# Altium PCB DSUB_V2_JGl_RoV24_RevA.PcbDoc (part 1 of 2)
Units mm, origin at the board's own origin, x right, y up, seen from the top; angles counter-clockwise.
Board outline 180 x 186 mm, 4 copper layers (Top Layer, Layer 1, Layer 2, Bottom Layer), stack 0.603 mm thick; 123 components, 97 nets, 879 pads, 118 vias.
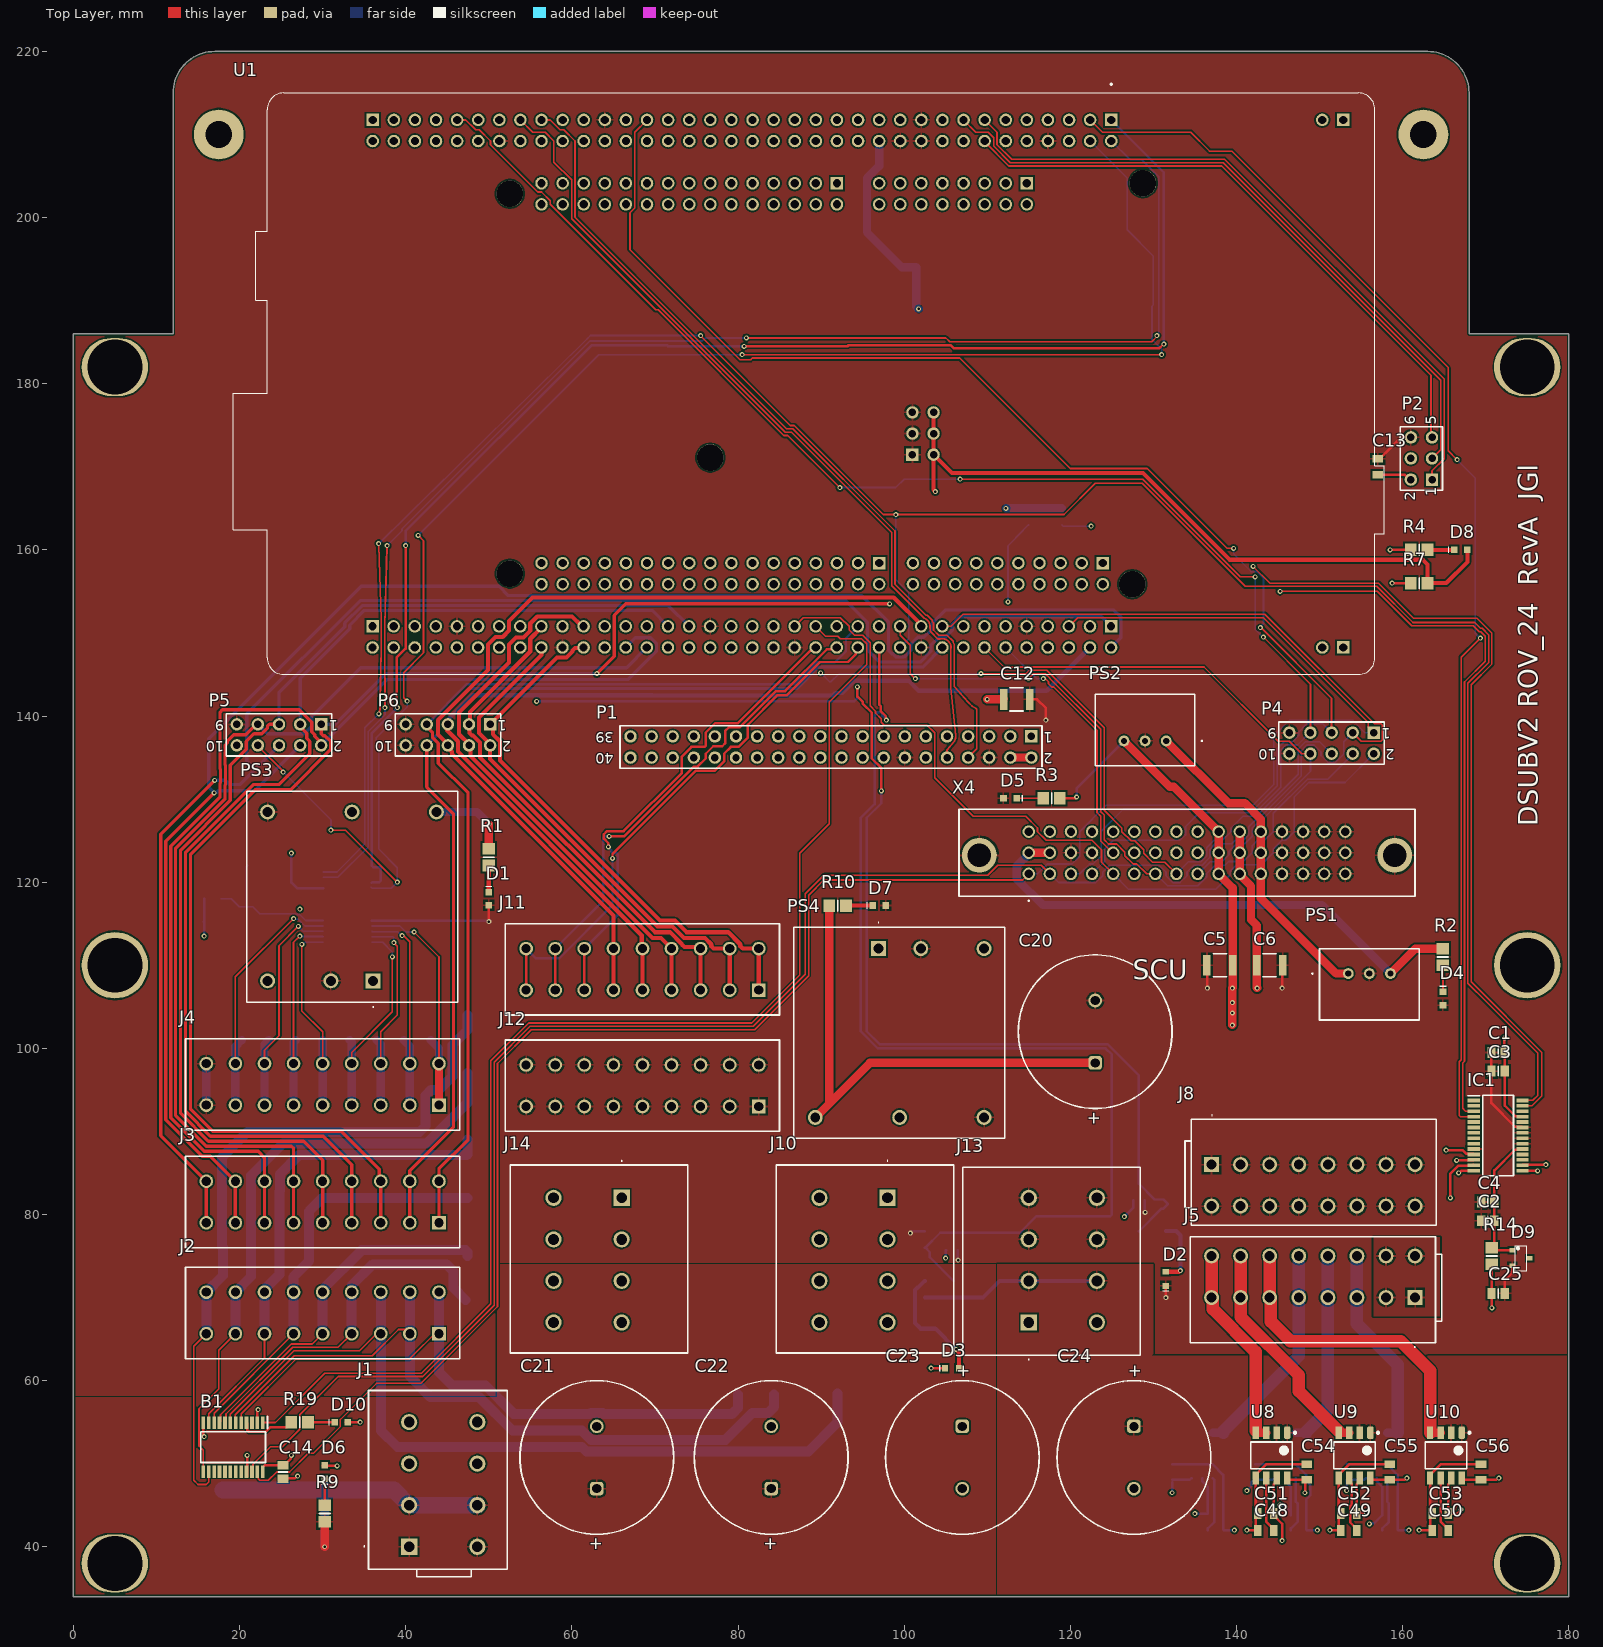
[diagram p0: Top Layer view]
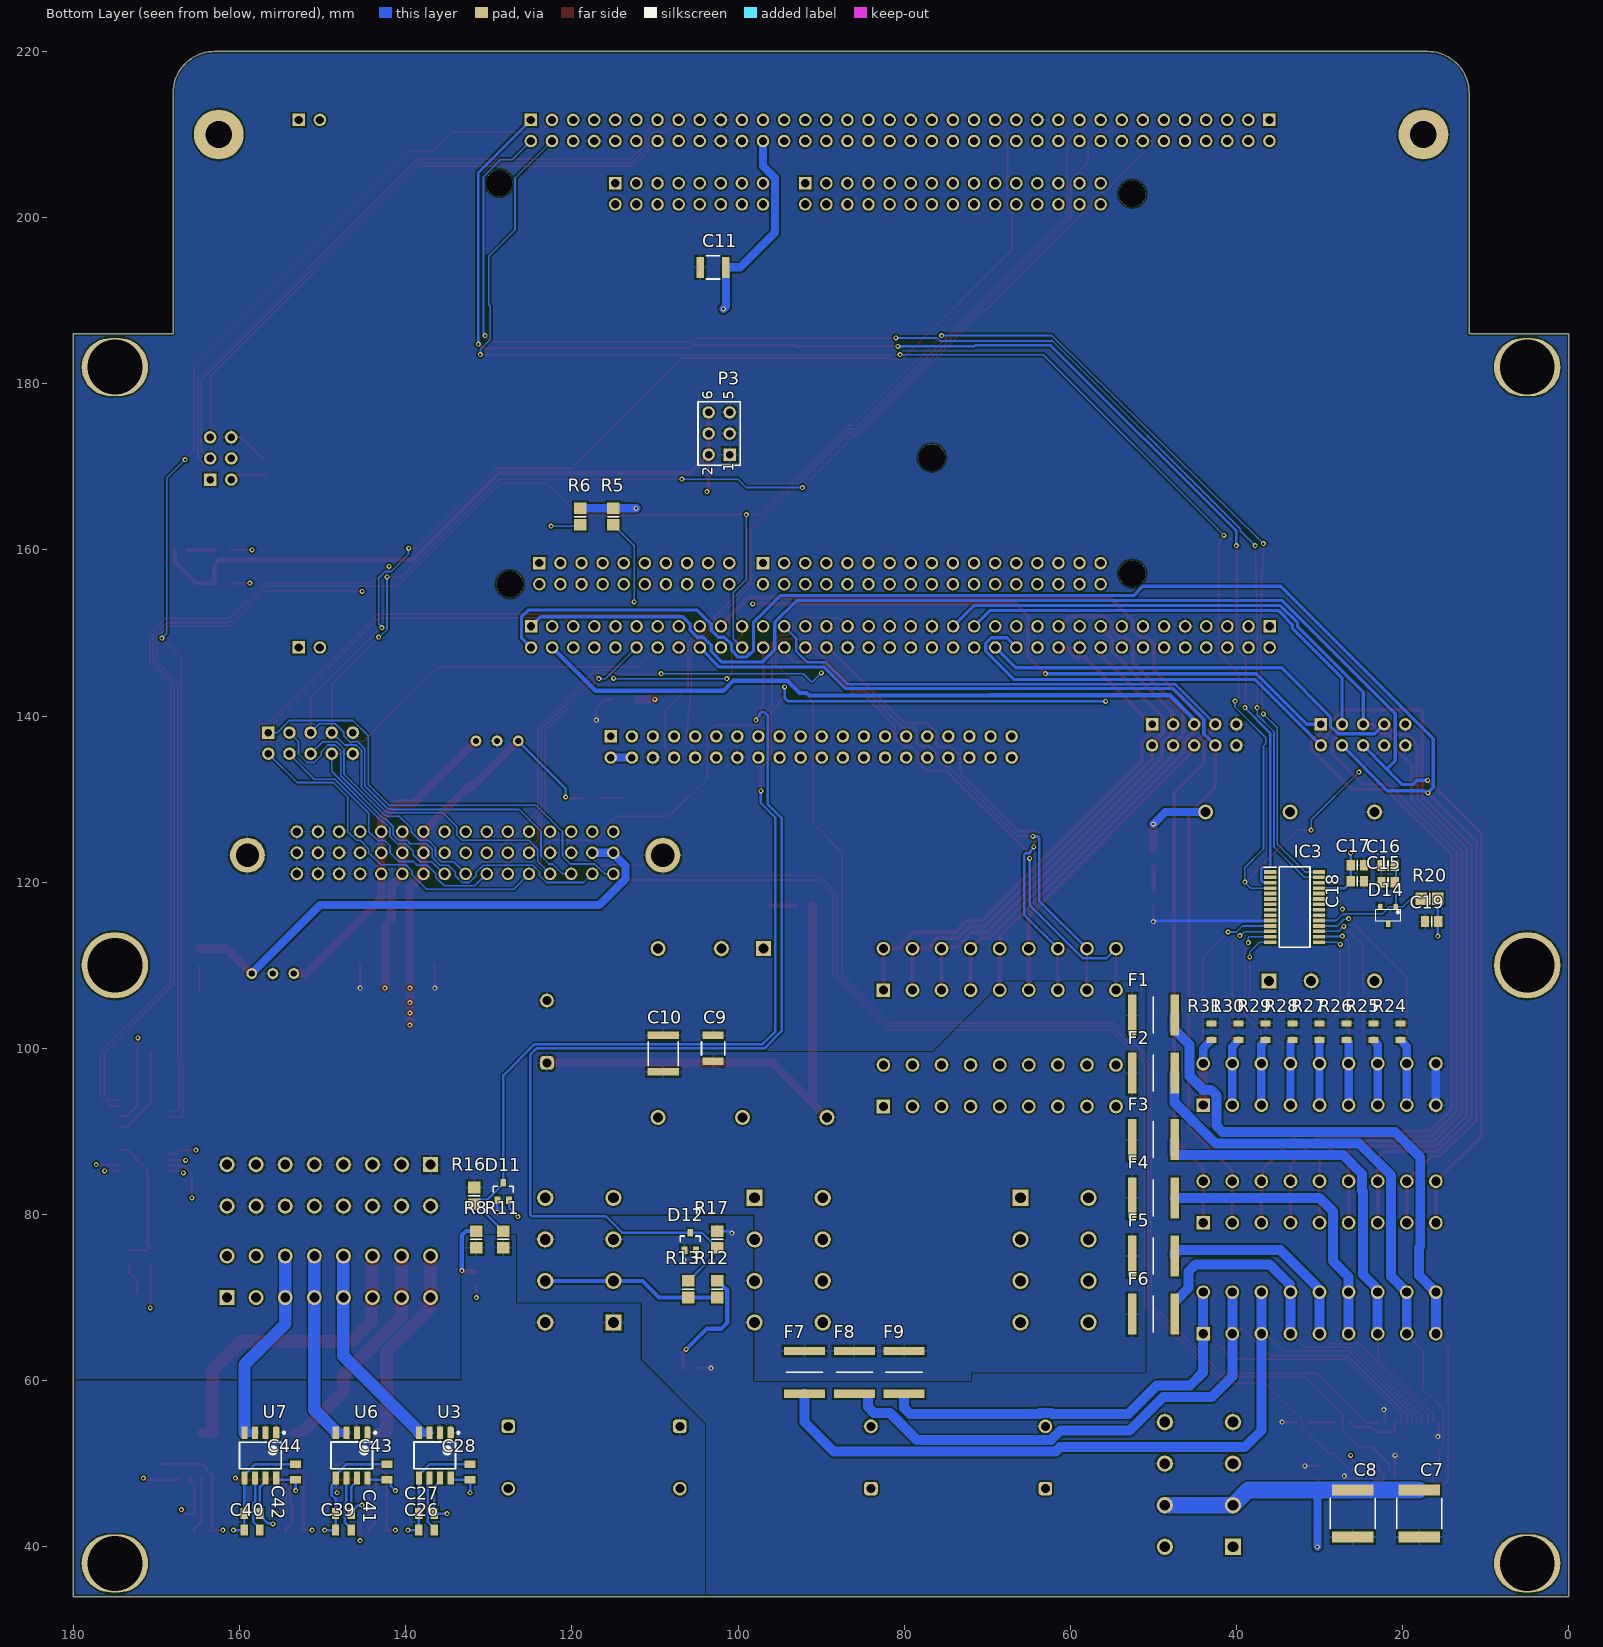
[diagram p1: Bottom Layer view, seen from below]
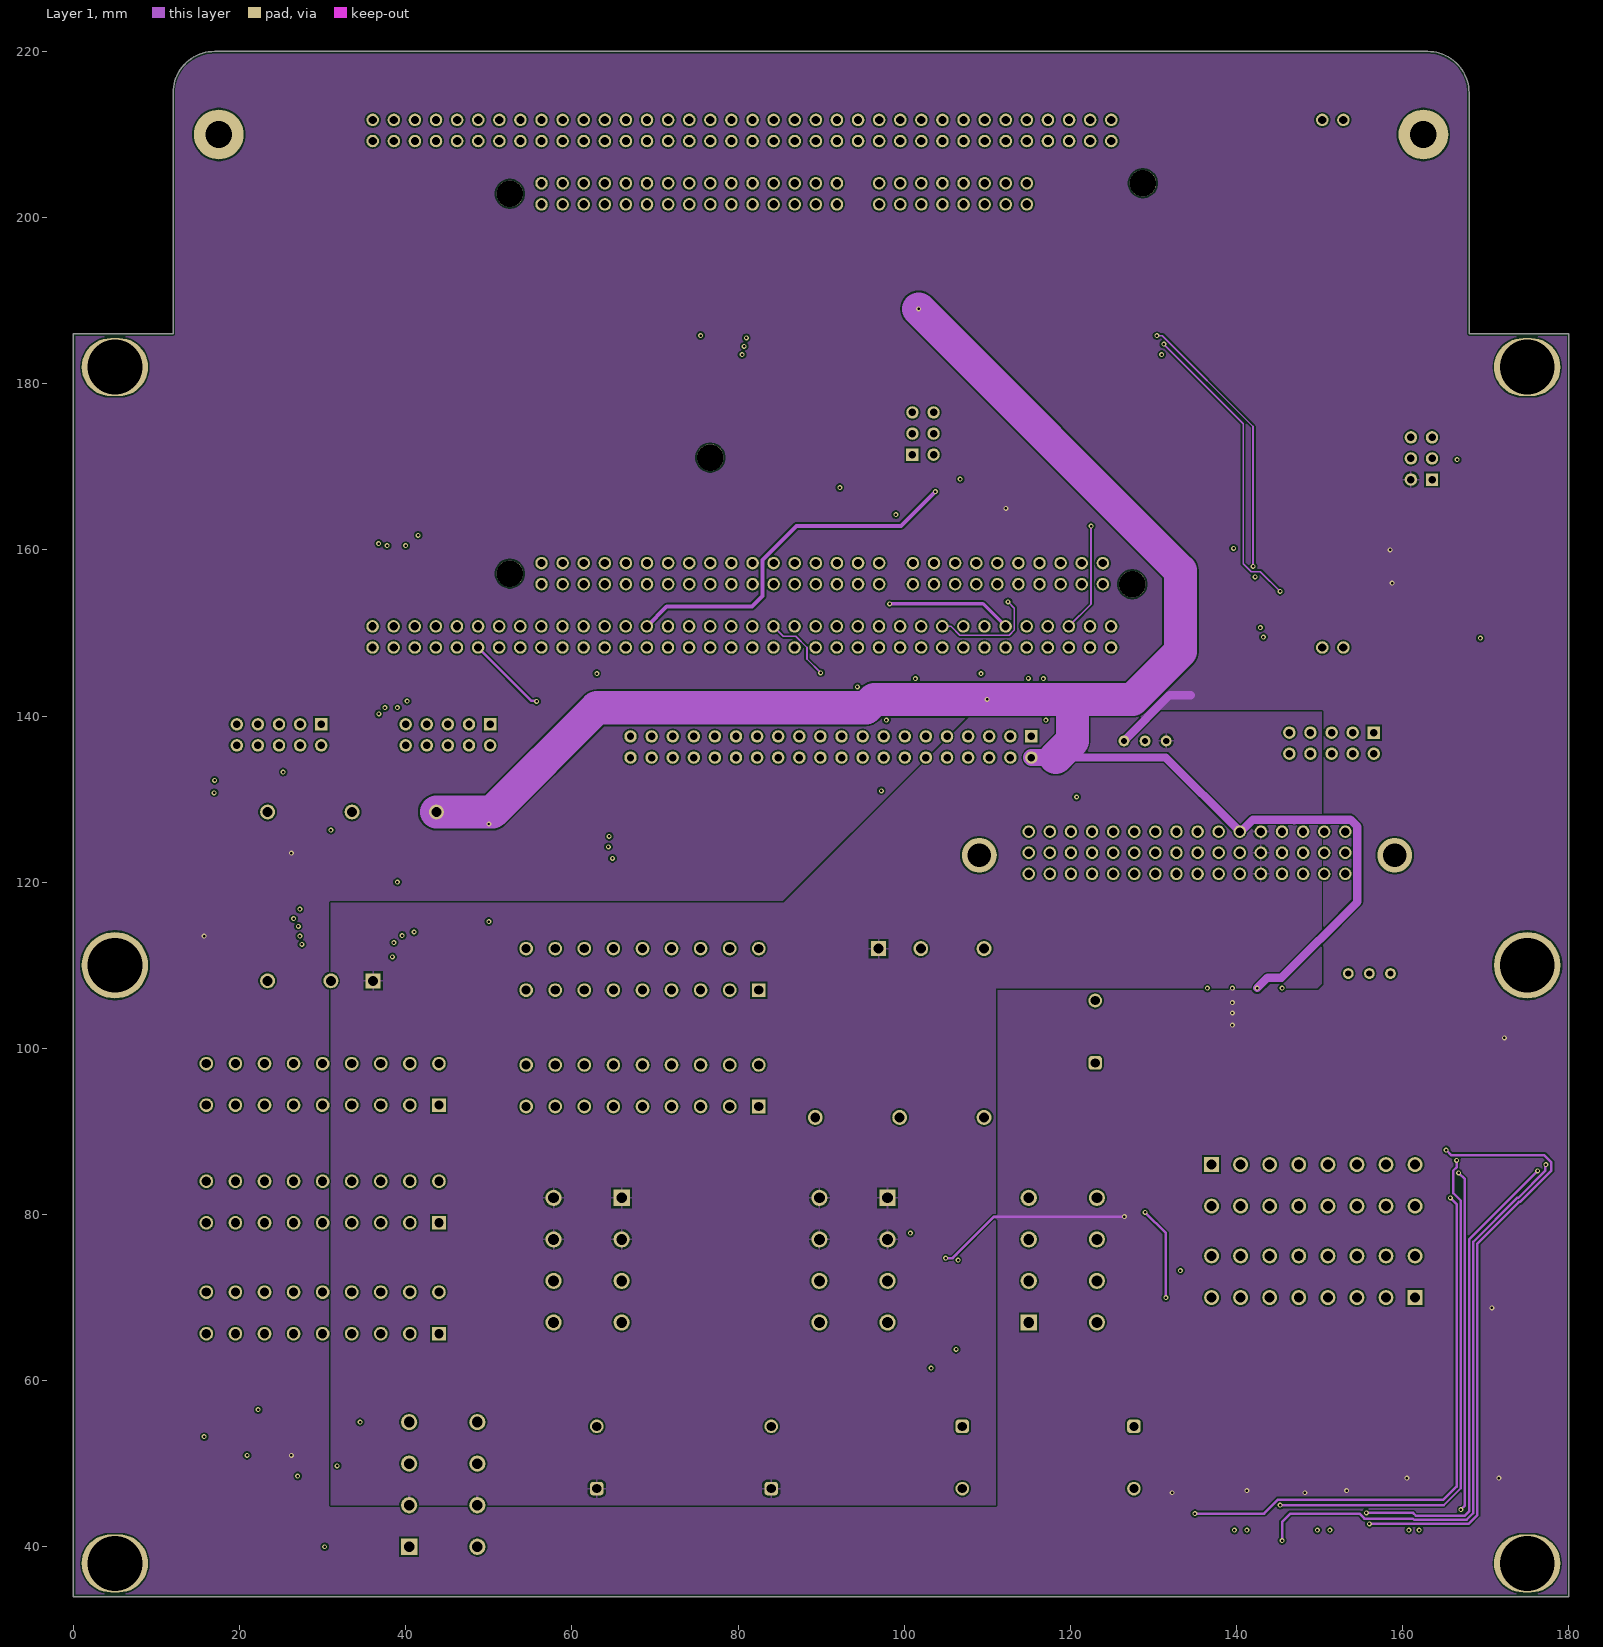
[diagram p2: Layer 1]
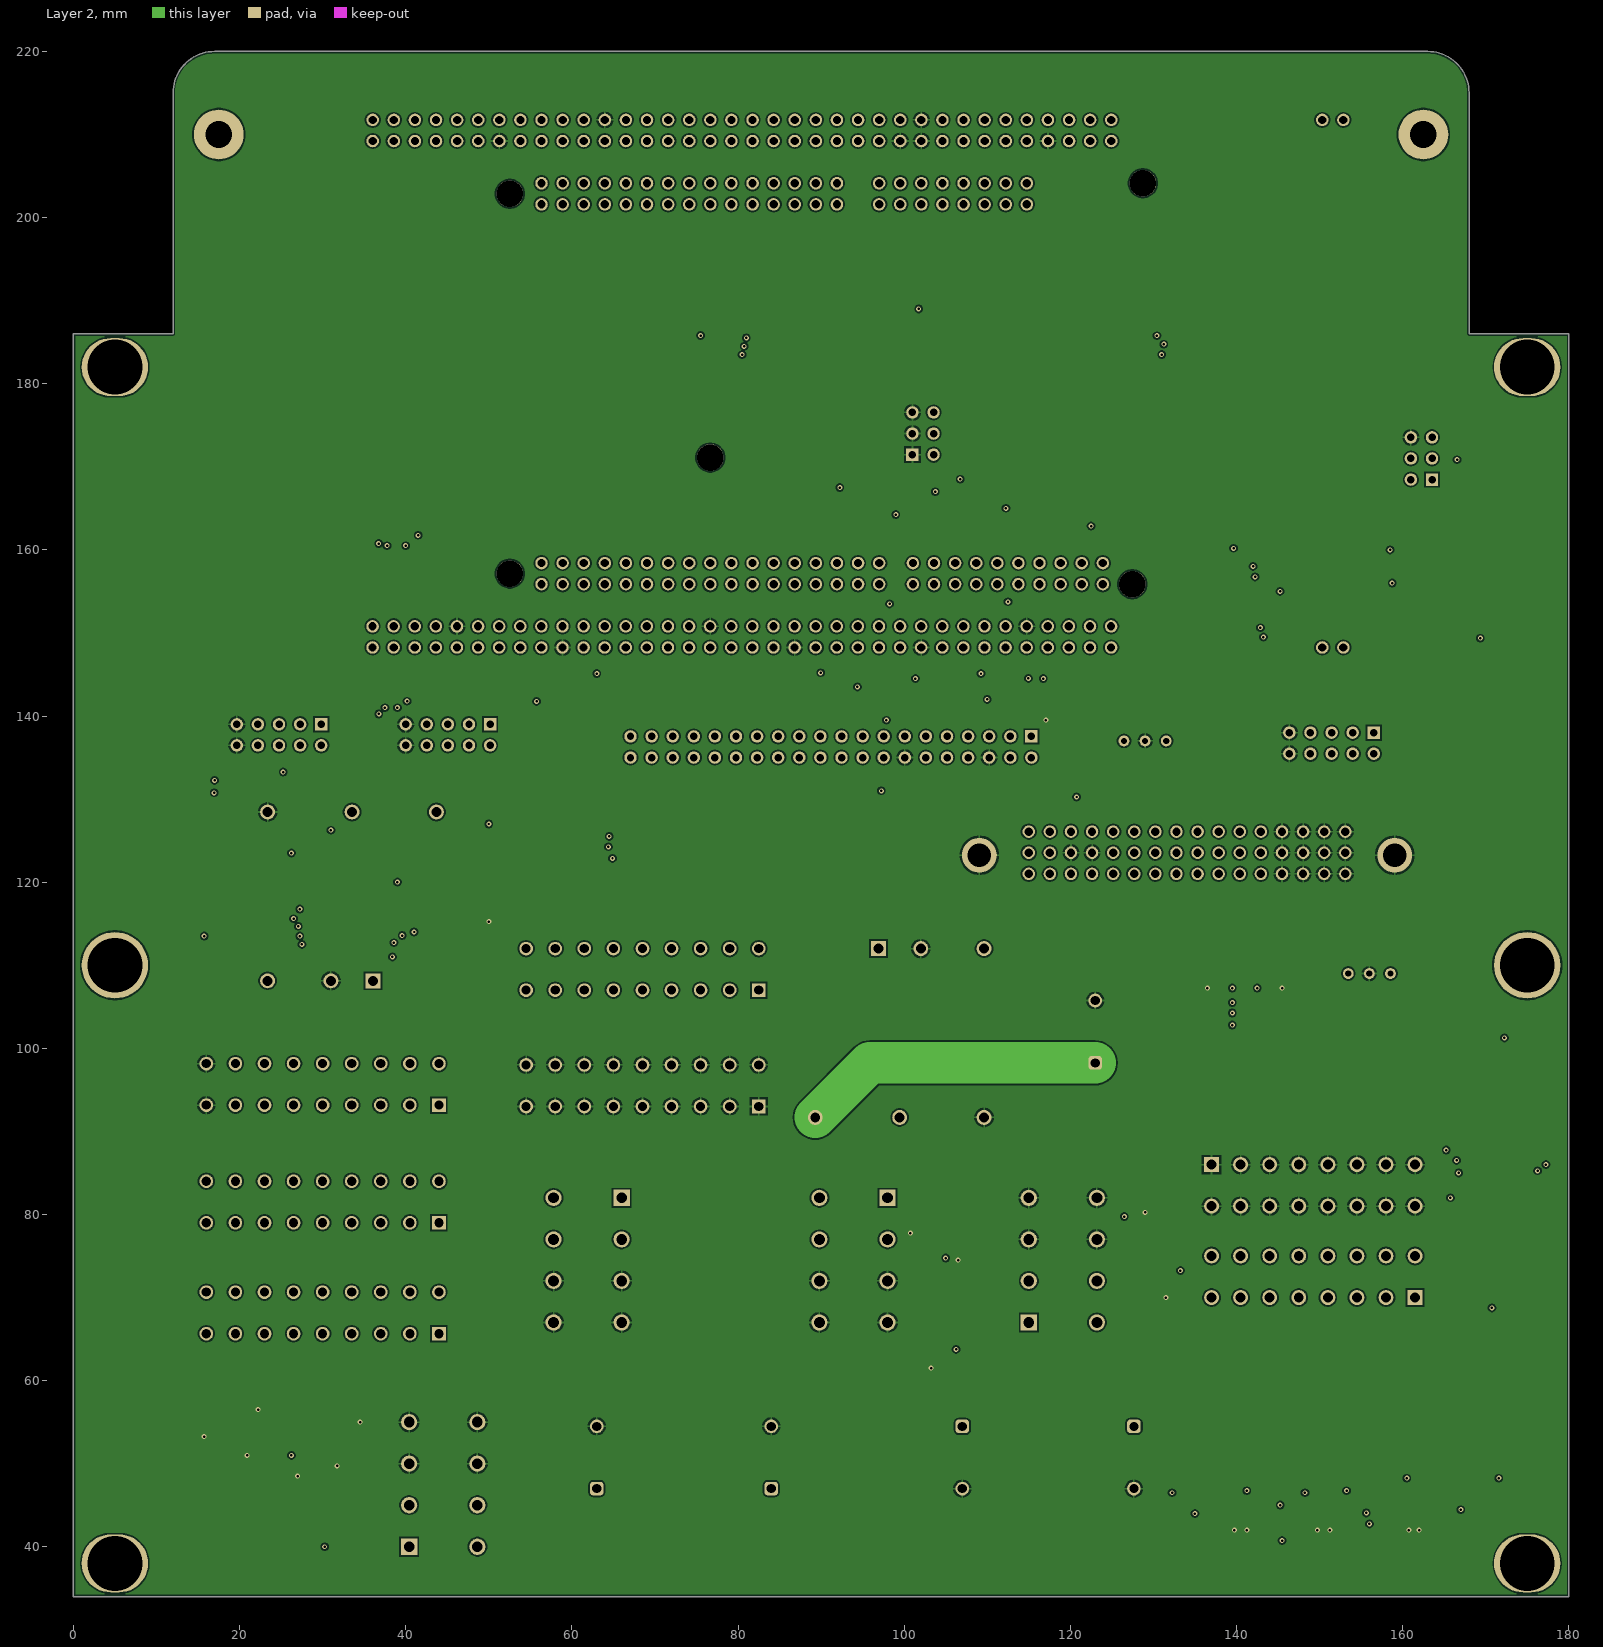
[diagram p3: Layer 2]

## Layer stack, top to bottom
Top Solder: solder mask 0.0102, Solder Resist, Dk 3.5
Top Layer: signal copper 0.0356
Dielectric 2: prepreg 0.0711, PP-006, Dk 4.1
Layer 1: signal copper 0.035
Dielectric 1: dielectric 0.32, FR-4, Dk 4.8
Layer 2: signal copper 0.035
Dielectric 3: prepreg 0.0711, PP-006, Dk 4.1
Bottom Layer: signal copper 0.0356
Bottom Solder: solder mask 0.0102, Solder Resist, Dk 3.5

## Board outline
0,34 0,186 12,186 12,215 cw(c17,215) 17,220 163,220 cw(c163,215) 168,215 168,186 180,186 180,34

## Design rules (kind name [scope] priority, off if disabled: settings)
BoardOutlineClearance [All] p1: gap=0.254 ignorepadtopadclearanceinfootprint=FALSE except(0: Arc-SplitContinuation Track-SplitContinuation SMDPad-SplitContinuation THPad-SplitContinuation Via-SplitContinuation Fill-SplitContinuation Poly-SplitContinuation Region-SplitContinuation Text-SplitContinuation)
Clearance [All] p1: gap=0.2 ignorepadtopadclearanceinfootprint=FALSE
HoleSize [All] p1: absolutevalues=TRUE maxlimit=10 minlimit=0.025 maxpercent=80.000 minpercent=20.000
MinimumSolderMaskSliver [All] p1: minsoldermaskwidth=0.2
PolygonConnect [All] p1: thpad.connectstyle=Relief thpad.reliefconductorwidth=0.254 thpad.reliefentries=4 thpad.polygonreliefangle="90 Angle" thpad.airgapwidth=0.254 smdpad.connectstyle=Relief smdpad.reliefconductorwidth=0.254 smdpad.reliefentries=4 smdpad.polygonreliefangle="90 Angle" smdpad.airgapwidth=0.254 via.connectstyle=Direct via.reliefconductorwidth=0.254 via.reliefentries=4 via.polygonreliefangle="90 Angle" via.airgapwidth=0.254
RoutingVias [All] p1: holewidth=0.3 width=0.6 viastyle="Through Hole" minholewidth=0.3 minwidth=0.6 maxholewidth=1 maxwidth=2
SilkToSilkClearance [All] p1: silktosilkclearance=0.2
SilkToSolderMaskClearance [IsPad] p1: minsilkscreentomaskgap=0.2 clearancetoexposedcopper=TRUE
SolderMaskExpansion [All] p1: expansion=0.102 istentingtop=FALSE
Width [All] p1: maxlimit=5 minlimit=0.2 preferedwidth=0.2 minimp=50.000000 maximp=50.000000 favimp=50.000000
26 further rules are at their usual default settings.

## Classes and differential pairs
component class 002_Servos: B1 C9 C10 C14 C15 C16 C17 C18 C19 C20 D7 D10 D14 F1 F2 F3 F4 F5 F6 F7 F8 F9 IC3 J2 J3 J4 PS4 R10 R19 R20 R24 R25 R26 R27 R28 R29 R30 R31
component class 001_NUCLEO: C11 D8 P3 R4 R5 R6 R7 U1
component class 000_Main: C1 C2 C3 C4 C5 C6 C7 C8 C12 C13 C21 C22 C23 C24 C25 C26 C27 C28 C39 C40 C41 C42 C43 C44 C48 C49 C50 C51 C52 C53 C54 C55 C56 D1 D2 D3 D4 D5 D6 D9 D11 D12 IC1 J1 J5 J8 J10 J11 J12 J13 J14 P1 P2 P4 P5 P6 PS1 PS2 PS3 R1 R2 R3 R8 R9 R11 R12 R13 R14 R16 R17 U3 U6 U7 U8 U9 U10 X4

## Components (designator, comment, footprint, x,y, rotation, side; value= is the part's Value field where it differs from the comment)
B1 "XRA1203IG24TR-F" SOP65P640X120-24N 19.216,52 r270 top
C1 "100nF" 6-0805_L 171.5,99.5 r0 top
C2 "100nF" 6-0805_L 170.25,79.25 r0 top
C3 "1uF" 6-0805_L 171.5,97.25 r0 top
C4 "1uF" 6-0805_L 170.249,81.5 r0 top
C5 "4.7µF" WCAP-CSGP_1210_L3.2W2.5H2.5 138,110 r0 top
C6 "4.7µF" WCAP-CSGP_1210_L3.2W2.5H2.5 144,110 r180 top
C7 "10µF 100v" WCAP-CSGP_2220_L5.7W5H2.8 18,44 r90 bottom
C8 "10µF 100v" WCAP-CSGP_2220_L5.7W5H2.8 26,44 r90 bottom
C9 "4.7µF" WCAP-CSGP_1210_L3.2W2.5H2.5 103,100 r270 bottom
C10 "2.2µF" WCAP-CSGP_1812_L4.5W3.2H2.5 109,99.35 r270 bottom
C11 "4.7µF" WCAP-CSGP_1210_L3.2W2.5H2.5 103,194 r180 bottom
C12 "4.7µF" WCAP-CSGP_1210_L3.2W2.5H2.5 113.55,142 r180 top
C13 "100nF" WCAP-CSGP_0805_L2W1.25H0.8_Reflow 157,170 r90 top
C14 "100nF" 6-0805_L 25.242,49 r90 top
C15 "1uF" 6-0805_L 21.75,120 r180 bottom
C16 "100nF" 6-0805_L 21.75,122 r180 bottom
C17 "100nF" 6-0805_L 25.45,122.031 r0 bottom
C18 "1uF" 6-0805_L 25.45,120.104 r0 bottom
C19 "100nF" 6-0805_L 16.5,115.25 r180 bottom
C20 "100µF" WCAP-AT1H_D18H21 123,102 r270 top
C21 "100µF" WCAP-AT1H_D18H21 63,50.746 r270 top
C22 "100µF" WCAP-AT1H_D18H21 84,50.746 r270 top
C23 "100µF" WCAP-AT1H_D18H21 107,50.746 r90 top
C24 "100µF" WCAP-AT1H_D18H21 127.654,50.746 r90 top
C25 "100nF" 6-0805_L 171.5,70.5 r180 top
C26 "47nF" WCAP-CSGP_0805_L2W1.25H0.8_Reflow 137.5,42 r180 bottom
C27 "4.7nF" WCAP-CSGP_0805_L2W1.25H0.8_Reflow 137.5,44 r180 bottom
C28 "47nF" WCAP-CSGP_0805_L2W1.25H0.8_Reflow 132.261,49 r270 bottom
C39 "47nF" WCAP-CSGP_0805_L2W1.25H0.8_Reflow 147.5,42 r180 bottom
C40 "47nF" WCAP-CSGP_0805_L2W1.25H0.8_Reflow 158.5,42 r180 bottom
C41 "4.7nF" WCAP-CSGP_0805_L2W1.25H0.8_Reflow 147.5,44 r180 bottom
C42 "4.7nF" WCAP-CSGP_0805_L2W1.25H0.8_Reflow 158.5,44 r180 bottom
C43 "47nF" WCAP-CSGP_0805_L2W1.25H0.8_Reflow 142.261,49 r270 bottom
C44 "47nF" WCAP-CSGP_0805_L2W1.25H0.8_Reflow 153.261,49 r270 bottom
C48 "47nF" WCAP-CSGP_0805_L2W1.25H0.8_Reflow 143.522,41.946 r0 top
C49 "47nF" WCAP-CSGP_0805_L2W1.25H0.8_Reflow 153.522,41.946 r0 top
C50 "47nF" WCAP-CSGP_0805_L2W1.25H0.8_Reflow 164.522,41.946 r0 top
C51 "4.7nF" WCAP-CSGP_0805_L2W1.25H0.8_Reflow 143.522,44 r0 top
C52 "4.7nF" WCAP-CSGP_0805_L2W1.25H0.8_Reflow 153.522,44 r0 top
C53 "4.7nF" WCAP-CSGP_0805_L2W1.25H0.8_Reflow 164.522,44 r0 top
C54 "47nF" WCAP-CSGP_0805_L2W1.25H0.8_Reflow 148.451,49 r270 top
C55 "47nF" WCAP-CSGP_0805_L2W1.25H0.8_Reflow 158.451,49 r270 top
C56 "47nF" WCAP-CSGP_0805_L2W1.25H0.8_Reflow 169.451,49 r270 top
D1 "Blue, 3.2V, 140°" WL-SMCW_0603_150060xx75003 50,118 r270 top
D2 "Green, 3.3V, 40°" WL-SMCW_0603_150060xx8x000 131.5,72.25 r90 top
D3 "Green, 3.3V, 40°" WL-SMCW_0603_150060xx8x000 105.75,61.5 r0 top
D4 "Blue, 3.2V, 140°" WL-SMCW_0603_150060xx75003 164.856,106 r270 top
D5 "Blue, 3.2V, 140°" WL-SMCW_0603_150060xx75003 112.75,130.104 r180 top
D6 "Blue, 3.2V, 140°" WL-SMCW_0603_150060xx75003 30.242,49 r90 top
D7 "Blue, 3.2V, 140°" WL-SMCW_0603_150060xx75003 97,117.184 r0 top
D8 "Red, 2V, 140°" WL-SMCW_0603_150060xx75003 167,160 r0 top
D9 "LM4040CYM3-2.5-TR" "SOT - 23" 174.25,74.75 r0 top
D10 "Red, 2V, 140°" WL-SMCW_0603_150060xx75003 32.242,55 r0 top
D11 "BAS70W-04Q" SOT323-123 128.25,82.75 r90 bottom
D12 "BAS70W-04Q" SOT323-123 105.75,76.75 r90 bottom
D14 "LM4040CYM3-2.5-TR" "SOT - 23" 21.75,116 r270 bottom
F1 "MF-SMDF200-2" FUSC5146X85N 50,104 r180 bottom
F2 "MF-SMDF200-2" FUSC5146X85N 50,97 r180 bottom
F3 "MF-SMDF200-2" FUSC5146X85N 50,89 r180 bottom
F4 "MF-SMDF200-2" FUSC5146X85N 50,82 r180 bottom
F5 "MF-SMDF200-2" FUSC5146X85N 50,75 r180 bottom
F6 "MF-SMDF200-2" FUSC5146X85N 50,68 r180 bottom
F7 "MF-SMDF200-2" FUSC5146X85N 92,61 r270 bottom
F8 "MF-SMDF200-2" FUSC5146X85N 86,61 r270 bottom
F9 "MF-SMDF200-2" FUSC5146X85N 80,61 r270 bottom
IC1 "AD7193BRUZ" SOP65P640X120-28N 171.5,89.5 r0 top
IC3 "AD7193BRUZ" SOP65P640X120-28N 33,117 r180 bottom
J1 "2604-3104" 26043104 40.421,40 r90 top
J2 "1864354" 1864354 44,65.646 r180 top
J3 "1864354" 1864354 44,79 r180 top
J4 "1864354" 1864354 44,93.154 r180 top
J5 "2601-3108" 26013108 161.5,70 r180 top
J8 "2601-3108" 26013108 137,86 r0 top
J10 "1190365" 1190365 98,82 r270 top
J11 "1864354" 1864354 82.5,107 r180 top
J12 "1864354" 1864354 82.5,93 r180 top
J13 "1190365" 1190365 115,67 r90 top
J14 "1190365" 1190365 66,82 r270 top
P1 "Header 20X2" HDR2X20 115.32,137.54 r180 top
P2 "Header 3X2" HDR2X3 163.54,168.46 r90 top
P3 "Header 3X2" HDR2X3 101,171.46 r90 bottom
P4 "Header 5X2" HDR2X5 156.53,138 r180 top
P5 "Header 5X2" HDR2X5 29.831,139 r180 top
P6 "Header 5X2" HDR2X5 50.16,139 r180 top
PS1 "TSR_0.6-48120WI" TSR0648120WI 153.46,109 r0 top
PS2 "TSR_0.6-4833WI" TSR0648120WI 131.54,137 r180 top
PS3 "THL_30-4811WI" THL304811WI 36.08,108.126 r0 top
PS4 "THL_30-4811WI" THL304811WI 96.92,112 r180 top
R1 "220R" 6-0805_M 50,123.001 r90 top
R2 "1k" 6-0805_M 164.856,111 r90 top
R3 "33R" 6-0805_M 117.751,130.104 r0 top
R4 "33R" 6-0805_M 162,160 r180 top
R5 "10k" 6-0805_M 115,164 r90 bottom
R6 "10k" 6-0805_M 119,164 r90 bottom
R7 "10k" 6-0805_M 162,156 r180 top
R8 "2k2" 6-0805_M 131.5,77 r270 bottom
R9 "4k7" 6-0805_M 30.242,44 r270 top
R10 "220R" 6-0805_M 92,117.184 r180 top
R11 "10k" 6-0805_M 128.25,77 r270 bottom
R12 "4k7" 6-0805_M 102.5,71 r270 bottom
R13 "10k" 6-0805_M 106,71 r270 bottom
R14 "8k2" 6-0805_M 170.75,75 r270 top
R16 "1k5" 6-0805_M 131.75,82.25 r270 bottom
R17 "1k5" 6-0805_M 102.5,77 r270 bottom
R19 "33R" 6-0805_M 27.241,55 r180 top
R20 "8k2" 6-0805_M 16.75,118 r180 bottom
R24 "0.1Ω" WRIS-KSKE_0805_L2W1.25H0.6 20.25,102 r90 bottom
R25 "0.1Ω" WRIS-KSKE_0805_L2W1.25H0.6 23.5,102 r90 bottom
R26 "0.1Ω" WRIS-KSKE_0805_L2W1.25H0.6 26.75,102 r90 bottom
R27 "0.1Ω" WRIS-KSKE_0805_L2W1.25H0.6 30,102 r90 bottom
R28 "0.1Ω" WRIS-KSKE_0805_L2W1.25H0.6 33.25,102 r90 bottom
R29 "0.1Ω" WRIS-KSKE_0805_L2W1.25H0.6 36.5,102 r90 bottom
R30 "0.1Ω" WRIS-KSKE_0805_L2W1.25H0.6 39.75,102 r90 bottom
R31 "0.1Ω" WRIS-KSKE_0805_L2W1.25H0.6 43,102 r90 bottom
U1 "NUCLEOH723ZG" MODULE_NUCLEOH723ZG 90,180 r270 top locked
U3 "LEM GO 20-SME/SP3" Lem_sme_SOIC8 136.5,51 r270 bottom